# KiCad board pandore.kicad_pcb (continued)
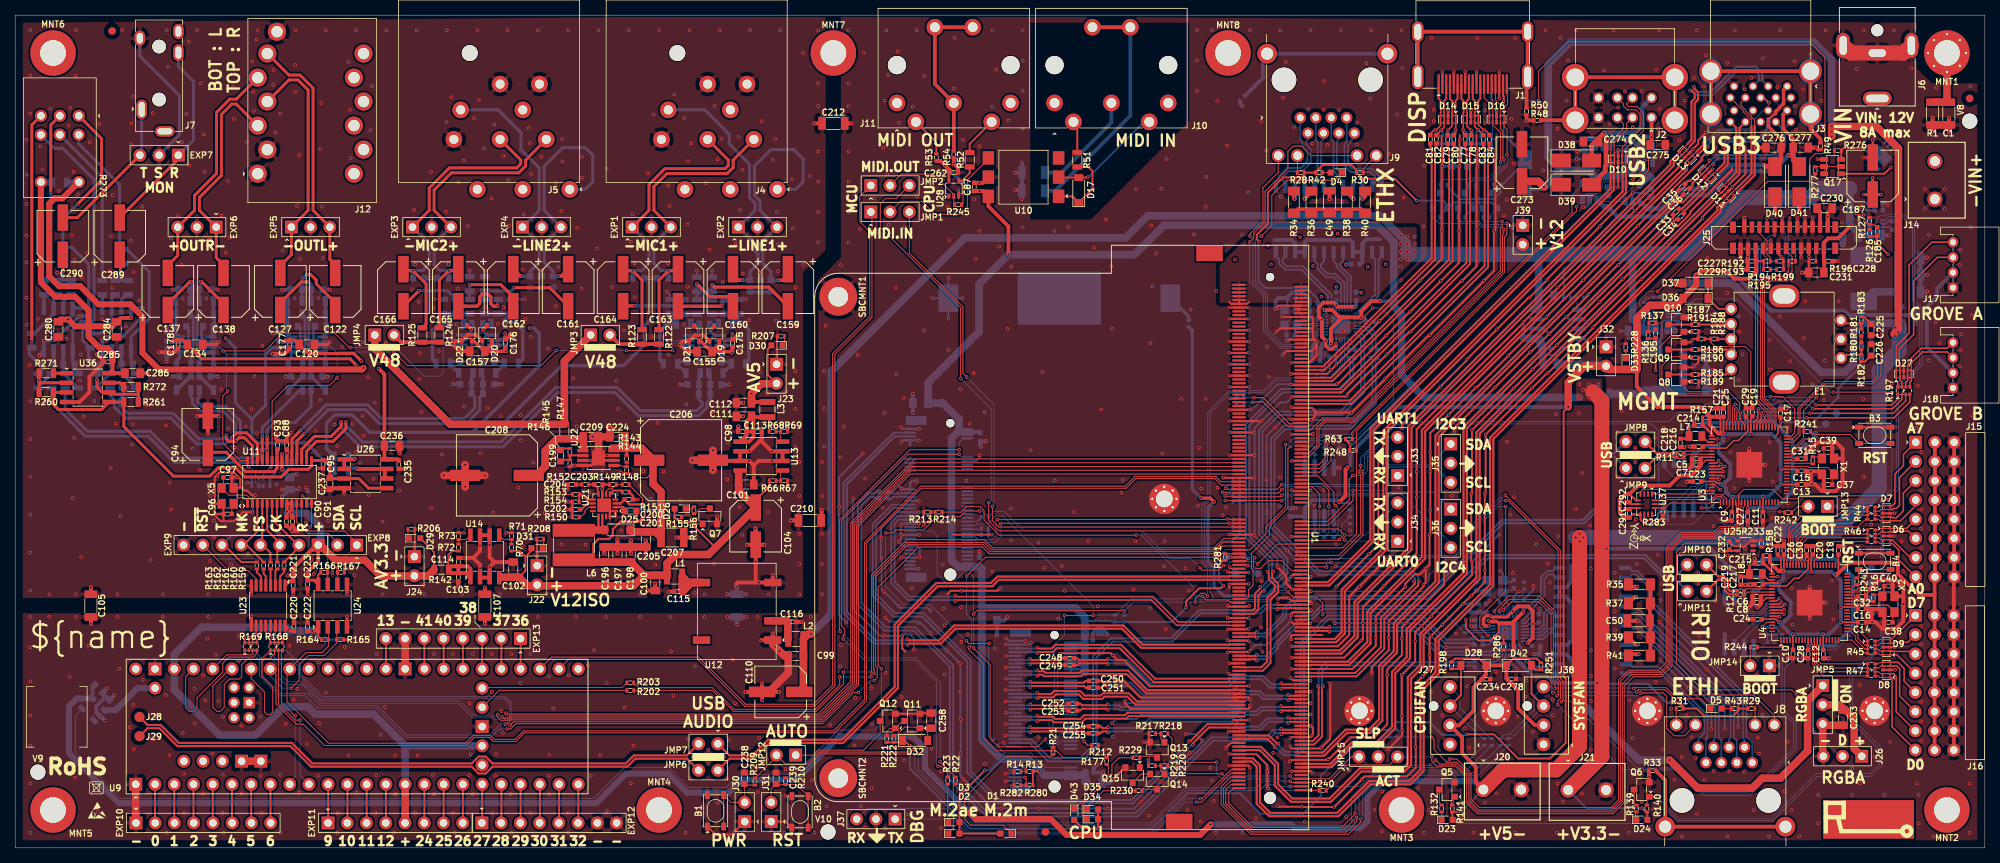
[diagram p0: board, top side]
## Routing (per net, layer and track width the routed paths; a pad name or vN(x,y) marks a point on that pad's centre or on a via; arc(x,y) is an arc through that point) (continued)
V3P3: length 689.7
  Top w0.2: 240.68,38.75 U4.41 240.68,36.55 v1(240.22,36.09) ; C20.2 237.07,38.55 237.07,36.53 v1(237.12,36.47) ; v1(232.8,29.83) 232.42,30.2 U4.76 230.52,30.2 ; U4.68 230.62,33.4 C6.2 ; v1(234.68,28.2) U4.5 C10.2 ; U4.69 231.12,33 230.52,32.4 C8.2 ; 230.72,34.8 230.92,35 U4.64 232.67,35 v1(232.82,35.15) ; C12.2 v1(238.68,28.2) ; C16.2 243.02,31.8 U4.29 v1(241.02,31.8) ; C22.2 233.07,38.35 233.07,36.88 v1(233.42,36.53) 233.47,36.58 U4.59 C26.2 ; v1(241.02,29.8) U4.24 C14.2
  Top w0.25: v1(214.75,5.25) 215.25,4.75 R140.1 215.45,4.7 D24.A ; R31.1 222,18.4 223,17.4 226.75,17.4 227.45,18.1 R43.2 R29.1 ; v1(128.93,41.37) 123.52,41.37 v1(123.5,41.35) ; v1(191.5,30.1) 191.5,29.02 193.14,27.38 194.75,27.38 195.83,28.46 195.83,29.67 ; v1(128,10.25) 124.65,6.9 D3.A 124.65,3.4 D2.A D1.A ; R248.1 176.2,52.55 v1(176.2,53.3) 175.6,53.9 R63.2 ; v1(135.2,10.2) 135.1,10.1 R13.1 R280.1 ; v1(185,85.5) 182.1,88.4 177.85,88.4 R30.1 177.05,89.55 176.4,90.2 172.6,90.2 171.65,89.25 R42.2 R28.1 170.15,88.9 169.82,88.57 167.37,88.57 165.36,86.56 165.36,82.46 163.9,81 163.9,80.4 v1(164.2,80.1) ; v1(154.57,31.73) 154.57,32.57 156.29,34.29 159.16,34.29 v1(159.49,34.62) ; v1(158.89,37.31) 158.89,37.44 159.41,37.96 R281.2 ; 124.65,3.3 124.65,3.3
  Top w0.3: R31.1 220.15,18.7 219.67,19.18 v1(218.61,19.18)
  Top w0.35: U28.5 123.25,89.1 C262.2
  Top w0.4: 195.83,29.67 195.58,29.92 194.58,29.92 v1(194.53,29.97)
  Top w0.5: v1(172.83,71.05) 173.85,71.05 174.81,70.09 175.2,70.09 ; 253.36,33.42 253.36,35.75 J15.23 J15.2 253.36,53.53 ; 253.36,33.42 J16.2 J16.23 ; 253.36,33.42 251.29,33.42 248.51,36.2 248.51,37.25 248.09,37.67 242.06,37.67 240.48,36.09 v1(240.22,36.09) ; 197.57,29.67 195.83,29.67 ; 197.57,29.67 v1(199.05,31.15) ; 197.57,29.67 197.78,29.46 197.78,26.57 197.89,26.47 v1(197.89,25.85) ; v1(180.13,72.22) 180.12,72.23 179.01,72.23 177.68,70.9 v1(177.68,70.06) 177.66,70.09 175.2,70.09 ; R158.2 231.62,37.7 232.79,36.54 233.41,36.54 v1(233.42,36.53) ; R53.2 122.15,90.75 v1(122.7,90.2) 123.35,89.55 C262.2 ; v1(173.68,66.62) 173.68,68.57 175.2,70.09 ; v1(131.11,78.36) 131.11,82.1 128.47,84.75 U10.6 127.78,86.75 v1(127.3,86.75) C87.2 ; C6.2 C8.2 230.3,32.28 230.3,32.05 v1(229.97,31.72)
  Top w2: J21.1 209.45,12.1 209.45,59.05 208.25,60.25
  Bottom w0.127: R59.1 191.35,83.5 Q3.1 ; Q2.1 188.05,83.5 R57.1 ; Q4.1 194.65,83.5 R61.1 ; 234.43,28.2 233.96,27.73 232.69,27.73 R232.2
  Bottom w0.15: R19.2 172.91,63.43 172.91,65.39 C69.2
  Bottom w0.2: C70.2 194.45,30.1 194.57,29.97 ; C71.2 172.83,71.05 v1(172.83,71.05) 173.08,70.8 U7.32 ; U8.11 197.7,26.04 v1(197.89,25.85) ; U7.11 176.9,69.8 177.22,69.8 177.48,70.06 v1(177.68,70.06) ; 194.57,29.97 194.57,29.97 v1(194.53,29.97) ; 194.57,29.97 194.85,29.7 U8.23 ; U7.23 173.98,66.96 173.72,66.71 ; U8.32 v1(199.05,31.15) 199.17,31.27 C72.2 ; C67.2 178.26,69.46
  Bottom w0.25: 192.36,85.24 194.91,85.24 Q4.1 ; 192.36,85.24 192.35,85.23 Q3.1 ; 192.36,85.24 189.79,85.24 Q2.1 ; 173.72,66.71 173.68,66.66 v1(173.68,66.62) ; R172.1 R175.1 R178.1 R179.1 161.65,41.53 160.6,40.48 159.52,40.48 158.23,39.19 158.23,37.97 v1(158.89,37.31) 158.89,37.31 158.89,35.22 v1(159.49,34.62) ; Q2.1 189.05,84.95 188.5,85.5 v1(185,85.5) ; Q2.1 189.05,84.64 ; C71.2 171.95,72.49 170.49,73.95 165.01,73.95 164.1,74.87 164.1,80 v1(164.2,80.1) ; v1(176.2,53.3) 176.6,53.3 184.4,61.1 ; v1(191.5,30.1) 191.5,29.45 R20.2 ; J21.1 207.4,5.25 v1(214.75,5.25) ; 141.18,29.95 144.68,29.95 144.78,29.85 R17.1 R18.1 152.69,29.85 v1(154.57,31.73) ; R216.1 R215.1 128.9,41.35 v1(128.93,41.37) ; v1(128,10.25) 128.02,10.27 128.67,10.27 130.15,11.75
  Bottom w0.3: 141.18,27.1 139.32,27.1 139.32,26.6 141.18,26.6 ; 139.32,23.6 141.18,23.6 ; 139.32,24.1 141.18,24.1 ; 141.18,23.1 139.32,23.1 139.32,24.6 141.18,24.6 ; v1(208.82,21.75) 208.89,21.68 215.51,21.68 218.01,19.18 v1(218.61,19.18)
  Bottom w0.5: v1(229.97,31.72) 229.48,32.22 U6.8 229.48,33.48 230.07,34.07 230.08,34.07 230.38,34.37 230.38,34.38 230.72,34.72 230.72,34.83 ; 126.25,54.95 127.25,54.95 127.25,54.95 C242.2 ; v1(232.82,35.15) 233.03,35.15 233.42,35.55 v1(233.42,36.53) 233.47,36.48 v1(237.12,36.47) 239.81,36.47 241.02,35.26 v1(241.02,31.8) v1(241.02,29.8) 239.43,28.2 v1(238.68,28.2) v1(234.68,28.2) 234.43,28.2 v1(232.8,29.83) 233.45,29.83 234.37,30.75 234.37,32.47 232.82,34.03 v1(232.82,35.15) ; v1(232.82,35.15) 232.5,34.83 230.72,34.83 ; 173.67,66.57 173.49,66.39 C69.2 ; v1(180.13,72.22) 181.97,72.22 182,72.25 ; v1(208.82,21.75) 208.78,21.79 203.13,21.79 202.28,22.64 200.45,22.64 197.67,25.42 C68.2 197.68,25.42 197.89,25.64 v1(197.89,25.85) ; v1(177.68,70.06) 177.95,70.06 178.26,69.75 C67.2 ; v1(122.7,90.2) 126.15,86.75 v1(127.3,86.75) ; 230.72,34.83 230.72,35.12 230.13,35.72 227.61,35.72 223.8,39.53 v1(210.06,39.53)
  Bottom w1: 127.6,31.7 127.6,36.9 C241.2 127.2,37.1 J19.74 124.5,37.1 123.6,38 123.6,54.1 124.45,54.95 ; 127.6,31.7 139.97,31.7 141.18,30.49 141.18,23.1 ; 127.6,31.7 127.6,14.3 130.15,11.75 133.73,11.75 135.88,9.6 140.9,9.6 C246.2 141.25,8.75 C247.2 ; 124.45,54.95 124.62,55.12 124.62,56.59 122.45,58.75 C243.2 120.5,61.44 127.24,68.18 127.24,74.49 v1(131.11,78.36) 147.74,78.36 151.63,82.25 179.75,82.25 182,80 182,71.5 183,70.5 183,62.5 186,59.5 v1(206.5,59.5) ; 124.45,54.95 126.25,54.95
  vias: v1(206.5,61.25) v1(207,60.5) v1(207.75,61.25) v1(207.75,59.5) v1(209,61.25)
V3P3AUD: length 92.3
  Top w0.25: R164.1 40,27.95 U24.1 ; R165.1 v1(43.9,27.5)
  Top w0.4: C220.2 36.32,28.65 U23.16 ; C222.2 39.45,28.65 U24.1
  Top w1: U9.15 51.48,3.32 EXP11.5
  Bottom w0.25: v1(39.2,28.65) 40.35,27.5 v1(43.9,27.5)
  Bottom w1: U9.15 51.48,13.48 ; 51.48,13.48 U9.50 ; 51.48,13.48 47.28,17.68 39.62,17.68 38.65,18.64 35.48,18.64 31.74,14.9 26.98,14.9 21,20.88 U9.46 21,25.55 24.6,29.15 35.82,29.15 v1(36.13,28.83) 36.32,28.65 v1(39.2,28.65)
V5: length 595.5
  Top w0.25: D23.A 189.7,3.75 R141.1 v1(190.5,4.75) ; R198.1 190.06,25.01 193.24,25.01 D28.1 ; R251.1 200.84,25.01 197.76,25.01 D42.1
  Top w0.3: U25.5 226.4,39.25 C232.2 226.05,39.2 v1(225.3,39.2)
  Top w0.5: D28.1 194.15,22.94 193.96,22.75 193.96,22.64 192.5,21.18 192.5,18.1 190.59,16.19 J27.2 191,14.59 191,12.5 192.8,10.7 192.8,8.7 J20.1 ; D28.1 194.25,24.2 ; D28.1 D42.1 196.85,22.34 198.4,20.79 198.4,18.4 200.59,16.21 J38.2
  Top w0.8: v1(126,4.6) 126.8,3.8 136.7,3.8 138.79,1.71 156.41,1.71 v1(157.8,3.1)
  Top w1: v1(218.4,11.6) 222.1,7.9 229.3,7.9 230.6,9.2 233,9.2 236.6,12.8 236.6,19.44 JMP5.1 ; v1(239.77,93.99) 239.8,94.02 v1(239.8,94.6) v1(239.8,95.3) 245.7,95.3 248.59,92.41 248.59,68.49 248,67.9 ; C273.1 201.05,88.05 v1(201.8,87.3) ; D37.2 v1(219.24,74.6)
  Top w2: 206.5,41 206.5,13.4 203.4,10.3 196.4,10.3 J20.1
  Bottom w0.25: J20.1 190.85,4.75 v1(190.5,4.75) ; v1(201.8,87.3) 201.4,86.9 D18.2
  Bottom w0.3: v1(225.3,39.2) 225.3,41.02 225.31,41.03
  Bottom w0.5: C264.2 10.21,21.23 U33.5
  Bottom w0.8: 193.45,7.7 J20.1 192.7,8.8 180.6,8.8 178.5,6.7 178.5,3.55 177.55,2.6 168.9,2.6 168.4,3.1 v1(157.8,3.1) ; U33.5 8.14,19.74 7.1,18.7 7.1,12.5 13.7,5.9 76.7,5.9 80.6,9.8 86.2,9.8 88.7,7.3 94.2,7.3 95.9,9 103.1,9 108.8,14.7 118.5,14.7 120.1,13.1 120.1,10.5 v1(126,4.6)
  Bottom w1: 248.45,69.3 243.87,69.3 242.7,68.13 242.7,64.01 241.51,62.82 238.4,62.82 226.62,74.6 v1(219.24,74.6) ; 207.68,89.49 C265.2 204.09,89.49 ; 207.68,89.49 208.65,88.52 208.65,87.8 ; 207.68,89.49 U29.5 ; 212.55,89.45 211.85,88.75 C271.2 209.4,88.75 208.75,88.1 ; 214.35,90.3 214.35,90.11 214.34,90.11 ; C267.2 213.73,89.49 214.34,90.11 ; 204.09,89.49 202.38,91.2 202.38,103.55 205.25,106.42 237.42,106.42 239.77,104.07 v1(239.77,93.99) ; 204.09,89.49 201.9,87.3 ; 214.34,90.11 C269.2 215.4,88.55 U31.5 ; 199.4,87 D18.2 ; v1(218.4,11.6) 214.3,11.6 v1(206.9,19)
  Bottom w2: 248.7,68.9 248.7,65.7 246.05,63.05 246.05,47.55 240.44,41.94 232.06,41.94 231.16,41.03 225.31,41.03 225.28,41 v1(207,41) v1(206,41)
  vias: v1(206.5,41.5) v1(206.5,40.5) v1(248.1,67.6) v1(248.2,68.7) v1(248.59,68.1)
V12: length 245.6
  Top w0.25: U1.250 U1.252 ; U1.250 160.5,71.88 160.25,72.13 ; U1.250 162.62,71.88 162.87,72.13 ; v1(237.9,91) 237.95,90.95 Q17.4
  Top w0.4: C187.1 v1(246.3,86.3) ; C187.1 v1(244,86.3) ; C187.1 245.4,86.5 ; C187.1 244.7,86.8 ; C187.1 v1(245.2,88.5)
  Top w0.5: v1(242.34,82.24) 240.62,80.52 239.32,80.52 238.75,79.95 J25.23 238.75,77.55 C228.2 238.8,76.05 C231.2
  Top w1: v1(105.05,28.25) 104.7,28.25 L2.1 C99.2 104.05,21.15 C110.1
  Bottom w0.25: R223.1 204.41,76.58 ; 215.29,68.64 C188.2 215,68.35 R133.1 ; 243.45,80.9 C186.2
  Bottom w0.8: C188.2 215.25,68.6 U20.1 ; C186.2 243.5,80.95 U19.1
  Bottom w1: C186.2 243.25,81.3 242.18,82.37 242.18,87.1 ; v1(105.05,28.25) 107.72,30.92 107.72,62.94 125.36,80.58 146.58,80.58 149.5,83.5 180.17,83.5 183.75,79.92 v1(183.75,79.75) ; U27.4 201.1,71.4 C259.2 201.1,78.3 201,78.4 ; C188.2 214.95,68.41 213.5,69.86 213.5,78.43 213.43,78.5
  Bottom w2: 242.18,87.1 238.2,87.1 237,85.9 228.1,85.9 220.7,78.5 208.05,78.5 207.95,78.4 184.1,78.4 v1(183.75,78.75)
  vias: v1(182.83,80.83) v1(182.91,79.79) v1(182.91,78.79) v1(182.91,77.79) v1(182.91,76.79) v1(183.75,80.75) v1(183.75,77.75) v1(184.75,80.75) v1(184.75,79.75) v1(184.75,78.75)
V12ISO: length 94.4
  Top w0.15: 82.82,45.38 82.82,46.18 81.05,47.95 R148.1
  Top w0.25: C104.1 97.75,45.95 99.55,47.75 R66.1 ; R70.1 66.58,39.22 67.35,38.46 ; 66.5,35.75 67.35,36.6 67.35,38.46 ; 67.35,38.46 68.15,39.26 D31.A ; D26.A R155.1 87.05,43.67 87.64,43.07 89.03,43.07 92.4,39.7 92.5,39.7
  Top w0.3: U21.3 79.92,45.5 C200.2 81.1,45.38 82.82,45.38 83.1,45.1 83.1,43.9 82.3,43.1 79.9,43.1 78.9,42.1 78.9,41.3 78.4,40.8 77,40.8 76.3,40.1 76.3,37.7
  Top w1: 83,36 C100.2 85.9,36 L1.2 86.05,37.58 87.22,38.75 91.55,38.75 C104.1 95.5,47.2 C101.2 95.5,49.5 ; 83,36 81.62,34.62 67.63,34.62 66.5,35.75 C102.2 64.25,35.75 ; 83,36 C198.2 C197.2 C196.2 74.05,37.75 L6.1
V50: length 40.4
  Top w0.15: R153.1 72.6,46.7 72.3,47 72.3,48.4 72.8,48.9 83.4,48.9 84.2,49.7 84.2,50.7 C206.1
  Top w0.35: R143.1 80.72,52.83
  Top w1: 80.5,52.8 82.7,52.8 84.05,51.45 84.05,51.25 84,51.2 C206.1 ; 80.5,52.8 78.8,52.8 ; 80.5,52.8 C224.2 ; 84.2,50.7 84.2,48.1 85.25,47.05 C207.2 84.5,41.75 C205.2 81.5,41.75 81.25,42 D25.1
VSS: length 1903.9
  Top w0.15: R286.2 196.46,27.72 v1(196.54,27.8)
  Top w0.2: U3.62 224.63,54 v1(224.65,54.02) ; D27.3 D27.3 v1(249.3,63.97) ; v1(232.63,35.82) 232.6,35.8 U4.62
  Top w0.25: 173.47,11.88 173.22,11.62 U1.17 168.53,11.62 168.33,11.43 v1(168.26,11.43) ; 173.47,11.88 v1(173.3,11.7) ; 173.47,11.88 173.57,11.88 v1(176.15,14.45) 176.3,14.6 v1(179.4,14.6) 181.11,16.31 v1(181.11,22.85) 181.11,23.54 183.05,25.48 v1(183.05,27.68) 183.05,29.19 188.6,34.74 v1(188.6,36.7) ; U1.32 160.21,15.38 v1(160.16,15.33) ; v1(168.38,29.96) 168.71,29.62 U1.89 170.92,29.62 v1(170.97,29.68) ; v1(162.79,62.39) 162.78,62.38 U1.212 160.32,62.38 v1(160.32,62.38) ; D7.3 D7.3 v1(248.05,44.2) ; Q12.2 Q11.2 119.53,17.81 C258.1 ; v1(189.98,54.91) 189.98,55.48 v1(195.3,60.8) v1(200,65.5) 200.08,65.5 v1(202.49,67.91) 204.71,70.13 v1(204.79,70.13) 207.66,73 v1(207.66,73.12) 211.54,77 v1(211.6,77) 216.7,82.1 v1(216.8,82.1) 217.96,83.26 217.96,83.67 219.55,85.26 220.13,85.26 222.18,87.31 222.18,87.77 v1(222.55,88.14) 223.05,88.64 D12.3 D12.3 223.65,89.25 v1(224.05,89.65) ; v1(162.84,60.89) 162.82,60.88 U1.206 160.37,60.88 v1(160.34,60.9) ; v1(186.2,36.9) 185.44,36.14 184.73,36.14 183.5,34.91 v1(183.5,34.5) 179.6,30.6 v1(179.6,27.77) 179.6,26.7 176.53,23.62 U1.65 168.5,23.62 v1(168.49,23.63) ; v1(186.2,36.9) 186.7,37.4 v1(186.7,41.4) 186.8,41.5 v1(186.8,44.6) v1(186.8,49.7) v1(186.8,52.3) 186.8,54.8 v1(189.2,57.2) v1(192.8,60.8) 192.9,60.8 v1(197.1,65) 197.1,65.05 v1(202.16,70.11) 202.16,70.16 v1(207,75) v1(214.2,82.2) 218.65,86.65 218.65,86.89 222.62,90.86 222.62,91.24 222.98,91.6 v1(223.3,91.6) ; v1(186.2,36.9) 186.2,35.07 v1(185.92,34.79) 185.92,34.53 181.32,29.93 v1(181.32,27.76) 181.32,26.11 179.06,23.85 v1(179.06,23.02) ; v1(170.99,47.25) 170.99,47.24 170.88,47.12 U1.151 168.63,47.12 v1(168.51,47.25) ; 171.6,57.42 171.6,57.72 171.19,58.12 U1.195 168.62,58.12 168.51,58.24 v1(168.51,58.25) ; 171.6,57.42 171.6,57.05 v1(171.07,56.52) 171.06,56.52 170.96,56.62 U1.189 168.54,56.62 v1(168.52,56.6) ; 171.6,57.42 171.68,57.5 v1(176.4,57.5) 180.85,61.95 v1(180.85,62) 186.55,67.7 v1(186.7,67.7) v1(193.9,74.9) 195.2,76.2 v1(195.2,81.5) 195.4,81.7 v1(195.4,91.2) 195.5,91.3 v1(195.5,93.6) ; v1(160.28,66.89) 160.29,66.88 U1.230 162.81,66.88 v1(162.82,66.87) ; C225.2 245.8,67.73 v1(245.81,67.72) ; v1(162.99,18.83) 162.99,18.59 162.78,18.38 U1.44 147.21,18.38 146.5,19.08 v1(146.5,19.4) ; v1(167.84,67.01) 167.95,67.12 U1.231 171.5,67.12 v1(171.78,66.84) ; v1(170.99,19.13) 170.99,19.12 U1.47 ; v1(170.98,22.07) 170.93,22.12 U1.59 168.68,22.12 v1(168.4,22.4) ; v1(160.3,68.38) 160.31,68.38 U1.236 162.81,68.38 v1(162.81,68.37) ; J3.7 230.8,99.1 v1(231.5,98.4) ; v1(160.31,69.89) 160.32,69.88 U1.242 162.75,69.88 v1(162.77,69.89) ; U1.167 168.53,51.12 v1(168.52,51.12) ; v1(168.52,54.61) 168.53,54.62 U1.181 171.23,54.62 v1(171.3,54.69) ; v1(179.93,51.59) 179.94,51.58 v1(179.94,45.02) 179.94,40.04 v1(178.7,38.8) v1(174.4,34.5) ; v1(162.83,25.94) 162.76,25.88 U1.74 160.12,25.88 v1(160.08,25.83) ; v1(149,14) 149.05,13.95 Q13.2 149.65,14.1 R217.2 ; v1(160.28,41.39) 160.29,41.38 U1.136 163.46,41.38 v1(163.51,41.32) ; v1(160.29,12.39) 160.31,12.38 U1.20 163.84,12.38 165.29,10.93 v1(165.29,10.09) 165.29,7.99 v1(165.43,7.85) ; v1(168.43,62.59) 168.47,62.62 U1.213 173.19,62.62 v1(173.71,63.14) 174.36,63.79 v1(174.36,63.8) 180.08,69.52 v1(180.08,69.6) 180.1,69.6 v1(185.5,75) 188.3,77.8 v1(188.3,81.5) 188.3,89.96 v1(188.38,90.04) 188.38,92.02 v1(188.3,92.1) 188.3,94.07 ; v1(160.28,65.4) 160.31,65.38 U1.224 162.75,65.38 v1(162.77,65.39) ; v1(211.61,92.21) 211.6,92.2 D10.3 D10.3 v1(211.6,89.86) v1(211.6,87.25) ; J1.8 v1(191.4,102.5) ; v1(163.6,51.87) 163.59,51.88 U1.170 160.35,51.88 v1(160.33,51.9) ; 96.09,3.68 J30.1 v1(94.92,2.09) 94.61,1.78 92.42,1.78 91.38,2.82 ; U1.38 162.78,16.88 v1(162.79,16.89) ; v1(159.8,13.2) 160.47,13.88 U1.26 ; v1(160.34,63.89) 160.35,63.88 U1.218 162.84,63.88 v1(162.84,63.88) ; U37.6 213.35,45.4 C292.1 ; U1.135 168.5,41.12 v1(168.49,41.13) ; v1(195.91,99) 195.9,99.01 J1.17 v1(195.9,102.5) ; C232.1 226.91,39.84 228.03,39.84 v1(228.33,39.54) 228.33,39.83 229.05,40.55 U25.3 230.4,40.55 R233.2 ; B4.1 v1(245.55,38.92) 247.54,38.92 ; v1(168.43,27.54) 168.43,27.93 168.62,28.12 U1.83 172.56,28.12 ; v1(168.54,26.62) 168.54,26.62 U1.77 174.59,26.62 176.1,28.14 176.1,33.2 v1(177.4,34.5) 181.04,38.14 v1(181.1,38.14) ; v1(173.59,21.69) 173.59,14.4 v1(172.4,13.2) 172.32,13.12 U1.23 168.49,13.12 168.34,13.27 v1(168.34,13.42) ; v1(160.07,36.48) 160.17,36.38 U1.116 162.78,36.38 v1(162.79,36.37) ; v1(160.38,59.36) 160.4,59.38 U1.200 ; R195.1 R194.1 233.4,77.8 v1(233.12,78.08) 232.75,78.45 J25.11 ; v1(168.42,61.24) 168.53,61.12 U1.207 174.31,61.12 v1(174.47,61.29) 174.57,61.29 v1(180.92,67.64) 184.08,70.8 v1(184.1,70.8) v1(188.2,74.9) 190.6,77.3 v1(190.6,81.5) 190.6,89.99 v1(190.65,90.04) 190.65,93.55 v1(190.7,93.6) 190.7,94.13 ; v1(168.34,14.52) 168.42,14.52 168.53,14.62 U1.29 170.97,14.62 171.16,14.81 v1(171.16,14.82) 171.29,14.95 171.29,15.83 v1(171,16.12) 171,16.12 U1.35 ; v1(167.22,70.16) 167.25,70.12 U1.243 171.16,70.12 171.31,69.97 171.31,68.62 ; v1(171.2,9.94) 171.18,9.94 171,10.12 U1.11 168.53,10.12 v1(168.53,10.12) ; v1(222.16,60.86) 222.22,60.92 R189.2 ; Q10.2 221.23,70.08 v1(221.25,70.06) ; v1(248,41.2) D6.3 D6.3 ; Q15.2 146.45,10.6 v1(144.9,9.05) ; 160.28,34.3 v1(160.28,34.81) 160.35,34.88 U1.110 162.81,34.88 v1(162.81,34.87) ; D16.3 D16.3 ; Q8.2 221.47,63.47 v1(221.64,63.64) 222.22,64.22 R190.2 ; v1(171.05,32.31) 171.05,32.31 171.05,32.34 171.04,32.34 171.04,32.37 171.04,32.37 171.04,32.4 171.03,32.4 171.03,32.5 170.9,32.62 U1.101 168.48,32.62 v1(168.06,33.05) 166.84,33.05 v1(166.68,32.89) ; v1(163.6,54.9) 163.57,54.88 U1.182 160.4,54.88 v1(160.38,54.89) ; 192.9,94.17 v1(192.9,92.1) 193,92 v1(193,90) 192.9,89.9 v1(192.9,81.7) 192.9,76.8 v1(191,74.9) 190.9,74.9 v1(184.2,68.2) 184.06,68.2 v1(181.05,65.19) 175.8,59.94 v1(175.8,59.7) 175.72,59.62 U1.201 168.62,59.62 v1(168.51,59.52) ; v1(242.6,55.55) 242.62,55.58 B3.1 B3.2 ; v1(244,91.2) C187.2 v1(245.2,93.5) ; v1(163.01,19.55) 163.01,19.66 162.79,19.88 U1.50 148.5,19.88 146.34,22.03 145.3,22.03 v1(144.91,22.42) ; v1(162.82,27.31) 162.75,27.38 U1.80 160.12,27.38 v1(160.08,27.42) ; R219.2 v1(149.6,11.6) ; J25.17 v1(235.75,78) ; 171.31,68.62 U1.237 166.94,68.62 v1(166.4,68.09) ; 171.31,68.62 171.31,67.31 v1(171.78,66.84) ; U1.68 160.31,24.38 v1(160.3,24.39) ; v1(171.01,35.79) 170.85,35.62 U1.113 ; v1(213.5,86.5) 209.2,82.2 v1(209.2,82.1) 202.2,75.1 v1(202.2,75) v1(199.9,72.7) 199.8,72.7 v1(195.6,68.5) v1(191.6,64.5) 191.6,64.4 v1(188.1,60.9) v1(184.4,57.2) 183.1,55.9 v1(183.1,55.45) ; v1(159.5,48.88) 160.3,48.88 160.31,48.88 U1.158 163.57,48.88 v1(163.6,48.9) ; v1(162.89,31.99) 162.78,31.88 U1.98 160.22,31.88 v1(160.08,32.01) ; v1(164.5,56.36) 164.49,56.38 U1.188 160.37,56.38 v1(160.35,56.39) ; C291.1 213.26,44.9 U37.7 ; R191.2 222.22,67.33 R184.2 221.51,67.22 v1(221.37,67.08) 221.06,66.78 Q9.2 ; v1(137.92,25.65) 138,25.73 144.58,25.73 v1(144.89,25.42) 145.51,24.8 146.4,24.8 149.82,21.38 U1.56 162.81,21.38 v1(162.82,21.38) ; v1(160.2,23) 160.32,22.88 U1.62 ; v1(166.37,71.23) 166.76,71.62 U1.249 ; v1(130,34.3) 129.66,33.96 v1(124.92,33.96) 123.49,33.96 123.02,33.49 ; v1(162.79,71.35) 162.77,71.38 U1.248 160.27,71.38 v1(160.27,71.37) ; D14.3 D14.3 ; v1(228.4,92.4) 228.4,89.02 v1(226.68,87.29) 226.68,87.28 D11.3 D11.3 225.56,86.2 v1(225.15,85.79) 222.73,83.37 v1(222.73,83.2) 222.73,83.16 v1(221.17,81.6) 214.7,75.13 v1(214.68,75.13) 214.63,75.13 v1(208.3,68.8) 208.3,68.7 v1(202.3,62.7) 202.2,62.7 v1(200.2,60.7) v1(194.1,54.6) 194.1,46.9 v1(194,46.8) v1(194,36.7) 194,35.1 v1(192.2,33.3) 192.17,33.3 v1(191.08,32.21) 188.4,29.53 v1(188.4,29.5) 186.71,27.81 v1(186.71,25.42) 186.73,25.4 186.73,23.57 v1(185.78,22.62) 184.86,21.7 v1(184.86,17.45) 184.86,13.38 v1(184.88,13.36) 184.88,10.6 183.72,9.44 178.12,9.44 v1(177.72,9.03) 177.72,9.02 v1(174.1,5.4) 169.86,5.4 v1(169.83,5.43) 166.77,5.43 v1(166.7,5.5) ; J1.11 v1(192.9,102.5) ; v1(160.3,10.87) 160.31,10.88 U1.14 162.79,10.88 162.97,10.7 v1(162.97,10.6) ; v1(160.08,28.86) 160.36,28.86 160.38,28.88 U1.86 162.75,28.88 v1(162.82,28.94) ; J25.20 v1(237.25,83.2) ; D8.3 D8.3 v1(248.17,23.51) ; J25.19 236.8,79.15 R196.1 236.8,76.05 C231.1 ; v1(117.1,28) 117.1,26.34 117.53,25.91 ; v1(160.28,57.87) 160.28,57.88 U1.194 162.81,57.88 v1(162.81,57.88) ; v1(171.78,66.84) 171.78,66.26 171.15,65.62 U1.225 167.8,65.62 v1(167.3,65.13) ; v1(171.78,66.84) 171.78,65.03 170.88,64.12 U1.219 168.56,64.12 v1(168.52,64.09) ; J1.2 v1(188.4,102.5) ; U1.53 170.94,20.62 v1(170.95,20.63) ; R277.2 v1(237.6,88.4) ; C226.2 245.8,66.53 v1(245.81,66.52) ; D9.3 D9.3 248.07,26.51 v1(248.09,26.53) ; J31.1 101.73,3.47 B2.1 ; 226.61,89.86 226.61,89.53 221.12,84.04 221.12,83.78 219.52,82.18 219.28,82.18 v1(218.3,81.2) 212.25,75.15 v1(212.22,75.15) v1(209.16,72.09) 209.16,72.08 v1(205.09,68.01) 203.5,66.42 v1(203.5,66.4) v1(200.3,63.2) v1(197.8,60.7) v1(192.3,55.2) 192.3,46.9 v1(192.2,46.8) 192.2,37.9 v1(192.3,37.8) 192.3,36.06 186.93,30.69 v1(186.93,30.61) 184.8,28.48 v1(184.8,27.31) 184.8,24.63 v1(183.04,22.87) 183.04,17.43 v1(183.06,17.41) 183.06,15.6 v1(183.11,15.55) 183.11,14.92 v1(181.2,13.01) ; U1.107 168.59,34.12 v1(168.54,34.18) 167.78,34.94 167.78,35.92 v1(166.6,37.1) ; v1(171.05,31.41) 171.05,31.3 170.88,31.12 U1.95 168.62,31.12 168.45,30.95 168.45,30.8 168.45,30.8 v1(168.45,30.74) ; U1.41 171,17.62 v1(171.01,17.62) ; J25.16 v1(235.25,83.2) ; J25.12 v1(233.25,83.2) ; v1(223.2,94.5) 222.17,93.47 222.17,93.01 v1(221.47,92.31) 221.47,92.27 D13.3 D13.3 219.91,90.71 v1(219.91,90.7) 219.56,90.35 219.56,89.9 v1(213.83,84.17) 213.81,84.17 v1(203.65,74.01) 199.1,69.46 v1(199.1,69.43) 199.1,69.4 185,55.3 v1(185,51.2) v1(185,49.7) v1(185,46.3) v1(185,43.6) 185,38.9 v1(183.7,37.6) 183.65,37.6 180.7,34.65 v1(180.7,34.6) 177.9,31.8 177.9,27.6 v1(177.7,27.4) 175.43,25.12 U1.71 168.51,25.12 v1(168.51,25.13) ; v1(160.07,30.38) 160.32,30.38 160.32,30.38 U1.92 162.79,30.38 v1(162.82,30.35) ; J25.18 v1(236.25,83.2) ; D15.3 D15.3 ; J1.5 v1(189.9,102.5)
  Top w0.35: D14.3 v1(189.15,97.46) ; D16.3 v1(195.55,97.44) ; U28.3 124.55,86.75 v1(124.5,86.8) ; D15.3 v1(192.15,97.43)
  Top w0.4: C222.1 v1(38.6,30.6) ; v1(43.8,30.5) 43.8,30.5 U24.4 ; v1(31.2,30.6) 31.18,30.58 U23.9 ; C220.1 v1(36.8,30.6)
  Top w0.5: C5.1 C7.1 221.35,50.44 v1(220.83,49.92) ; 249.24,33.22 249.24,29.94 248.25,28.95 246.75,28.95 ; 249.24,33.22 249.22,33.24 X2.4 247.82,33.49 C40.1 247.82,35.32 247.8,35.34 ; 249.24,33.22 249.24,34.46 248.36,35.34 247.8,35.34 ; v1(231.97,39.83) 232,39.85 C22.1 C26.1 233.47,39.86 v1(233.47,40.49) ; v1(253.11,94.57) 253.1,94.58 R1.2 253.1,96.45 v1(253.11,96.46) ; v1(235.96,25.05) 235.96,25.05 C28.1 ; 246.75,28.95 246.45,28.95 245.57,29.83 v1(245.12,29.83) ; 246.75,28.95 246.73,28.97 C38.1 246.73,30.89 246.07,31.54 245,31.54 ; J25.24 v1(239.25,83.4) 239.25,83.9 C230.1 ; 245,31.54 244.38,31.54 C16.1 ; 245,31.54 245,29.95 v1(245.12,29.83) ; C23.1 220.75,48.4 v1(220.7,48.35) ; C276.1 v1(230.23,92.5) ; R54.1 v1(123.9,90.4) 124.45,89.85 C262.1 ; J25.3 v1(228.75,78.1) 228.7,78.05 C227.1 C229.1 v1(228.05,76.4) ; 247.8,35.34 245.9,35.34 244.37,33.81 244.34,33.81 v1(244.3,33.77) 244.32,33.75 C32.1 ; v1(245.12,29.83) 245.1,29.8 C14.1 ; 241.23,51.42 241.23,52.7 240.38,53.54 239.82,53.54 ; 241.23,51.42 241.21,51.44 X1.4 239.85,51.69 C39.1 239.85,53.52 239.82,53.54 ; 241.23,51.42 241.23,48.1 240.27,47.15 238.77,47.15 ; v1(237.89,39.85) 237.86,39.88 237.31,39.88 C20.1 C30.1 236.51,39.88 ; C214.1 221.65,56.38 v1(221.62,56.4) ; D40.1 232.3,83.97 v1(232.28,83.95) ; v1(173.49,85.7) 173.5,85.71 C49.1 ; 239.82,53.54 237.87,53.54 v1(236.38,52.05) 236.35,52.03 C31.1 ; C110.2 v1(98.6,19.5) ; C110.2 v1(96.4,20.6) ; C110.2 v1(100.8,20.6) ; C110.2 v1(98.6,21.7) ; v1(103.8,29.9) 103.75,29.85 C116.1 ; v1(237.15,48.03) 237.6,48.03 238.48,47.15 238.77,47.15 ; v1(237.15,48.03) 237.12,48 C13.1 ; v1(237.15,48.03) 237.02,48.15 v1(237.02,49.74) ; C231.1 v1(235.85,76) ; C277.1 v1(237.7,92.5) 237.95,92.25 R49.1 ; v1(228.81,31.72) 229.32,32.24 C8.1 C6.1 ; v1(98.5,27.4) 98.55,27.45 U12.1 v1(100,28.3) ; C107.2 v1(62,29.6) ; v1(241.37,39.83) 241.35,39.85 C18.1 ; U3.81 v1(228.9,52.7) ; U3.81 v1(231.03,50.6) ; U3.81 v1(228.9,48.47) ; R48.1 v1(199.5,96.1) R50.1 ; J25.1 v1(227.75,78) ; D41.1 v1(235.5,83.96) ; v1(239.41,25.03) 239.4,25.02 238.7,25.02 C12.1 ; v1(229.23,58.78) 229.3,58.71 C19.1 229.24,58.05 228.5,58.05 C29.1 228.47,58.77 v1(228.5,58.8) ; v1(228.72,42.67) 228.7,42.7 C27.1 ; v1(237.02,49.74) 236.4,49.74 C15.1 ; v1(237.02,49.74) 238.1,49.74 X1.2 238.75,49.09 C37.1 238.75,47.17 238.77,47.15 ; C10.1 234.67,25.05 233.98,25.05 v1(233.96,25.03) ; v1(229.6,38.2) 229.62,38.17 C215.1 ; C228.1 v1(240.55,77.5) ; C11.1 230.7,42.67 v1(230.72,42.65) ; v1(106.45,44.65) 106.45,43.3 C210.2 ; v1(224,58.03) 224.03,58.05 C21.1 C25.1 225.5,58.67 v1(225.47,58.7) ; U4.81 v1(236.87,30.28) ; U4.81 v1(239,32.4) ; U4.81 v1(236.87,34.5) ; R33.1 215.65,9.45 v1(215.7,9.4) Q6.2 ; v1(212.5,45.7) 212.55,45.65 C292.1 ; C87.1 v1(127.3,87.85) 127.72,87.85 U10.5 ; C212.2 v1(110.4,95.7) ; v1(221.05,53) C216.1 ; v1(228.68,30.15) 228.72,30.2 229.42,30.2 ; v1(255.26,94.56) 255.25,94.57 C1.1 255.25,96.41 v1(255.27,96.43) ; J25.2 v1(228.25,83.2) ; C50.1 v1(214.2,30) ; C218.1 v1(220.4,52.95) ; C291.1 212.54,44.74 v1(212.5,44.7) ; 255.9,53.53 J15.3 J15.24 255.9,35.75 J16.3 J16.24 ; C217.1 v1(229.02,34.8) 228.97,34.75 v1(228.37,34.75) 227.77,34.75 ; C17.1 v1(233.75,57.99) ; v1(10,29.6) C105.2 ; v1(225.9,43.2) 225.95,43.25 C9.1
  Top w1: C110.2 99.5,20.6 102.05,23.15 C99.1 101.55,25.35 100,26.9 U12.1 ; J26.3 238.6,12.17 JMP5.3 238.76,16.2 C233.1 ; C1.1 R1.2 ; EXP13.7 51.48,27.63 U9.34 ; U9.58 U9.57 ; EXP10.1 15.92,3.33 U9.1
  Top w2: J6.S 249.3,105 J6.2 242.3,105 J6.S
  Bottom w0.15: v1(215.41,72.57) 214.99,72.15 R134.2
  Bottom w0.25: v1(174.3,37.15) 181.88,37.15 182.33,37.6 v1(183.7,37.6) ; v1(241.15,82.6) 241.1,82.6 241.05,82.55 ; 215.35,86.5 C270.1 ; 215.35,86.5 v1(213.5,86.5) U31.2 213.5,84.5 v1(213.83,84.17) ; 215.35,86.5 C269.1 ; v1(217.07,29.84) 217.07,29.81 v1(223.31,23.57) 227.44,19.44 v1(227.44,15.96) ; v1(200.42,34.61) 200.42,34.09 C72.1 ; v1(130.44,13.87) 130.96,13.35 J13.57 ; v1(116.65,40.44) 116.95,40.74 v1(116.95,41.35) 116.95,42.6 v1(116.91,42.64) ; v1(203.65,74.01) 203.1,73.46 C259.1 ; BAT1.2 123.19,75.26 v1(123.23,75.3) ; BAT1.2 123.19,69.93 v1(123.2,69.92) ; BAT1.2 v1(121.03,72.61) ; BAT1.2 125.02,72.61 v1(125.03,72.6) ; U27.7 205.68,68.56 205.12,68.01 v1(205.09,68.01) ; v1(111.9,52.1) 108.76,48.96 v1(108.76,45.07) 108.76,30.74 v1(109.7,29.8) ; v1(144.91,22.42) 145.3,22.81 147.2,22.81 149.27,20.74 160.71,20.74 161.35,21.38 v1(162.82,21.38) ; v1(130.79,27.69) 131.13,27.35 J13.1 133.28,27.35 v1(133.31,27.32) ; v1(202.16,70.11) 201.88,69.83 U27.3 ; C53.1 174.35,63.81 v1(174.36,63.8) ; v1(173.71,63.14) 173.49,63.36 C69.1 ; v1(130.75,17.86) 130.76,17.85 J13.39 ; C55.1 v1(174.38,74.13) ; v1(196.01,36.61) 196.4,36.22 X4.4 196.65,35.08 197.49,35.08 C75.1 ; U29.2 209.58,92.11 210.19,91.5 210.9,91.5 v1(211.61,92.21) 211.73,92.09 C268.1 C267.1 ; v1(181.33,29.65) 185.3,29.65 v1(185.64,29.31) 185.64,29.27 v1(186.89,28.02) 188.43,26.48 v1(188.89,26.48) v1(191.72,26.48) ; v1(181.33,29.65) 183.5,29.65 v1(183.51,29.66) ; v1(181.33,29.65) 181.31,29.67 v1(179.6,29.67) v1(177.88,29.67) 177.87,29.68 v1(176.1,29.68) v1(174.15,29.68) ; C66.1 191.09,32.22 v1(191.08,32.21) ; v1(118.63,26.24) 118.63,27.7 118.15,28.18 117.28,28.18 v1(117.1,28) 114.62,28 v1(114.59,28.03) 114.15,28.03 110.57,31.61 110.57,46.09 v1(110.66,46.18) ; v1(214.2,30) 214.4,30 225.66,18.74 v1(225.66,15.71) ; v1(211.6,87.25) C271.1 210.25,87.05 ; C68.1 197.61,24.32 v1(198.25,23.68) ; v1(180.08,69.6) 179.94,69.45 C67.1 ; v1(130.73,23.86) 130.74,23.85 J13.15 ; C70.1 192.72,30.07 192.24,30.07 v1(192.23,30.06) ; v1(192.2,29.29) 192.22,29.27 C54.1 ; J13.75 130.75,8.85 v1(130.7,8.8) ; v1(130.71,19.34) 130.72,19.35 J13.33 ; v1(202.49,67.91) 201.84,68.56 U27.2 ; C184.1 C183.1 246.87,85.2 v1(247.2,84.87) ; v1(146.5,19.4) 146.76,19.14 162.06,19.14 162.47,19.55 v1(163.01,19.55) ; U32.2 207.85,85.07 207.38,84.6 v1(207,84.6) ; v1(177.71,73.34) 177.65,73.4 C57.1 ; C73.1 167.92,71.49 X3.4 166.47,71.13 v1(166.37,71.23) ; 139.32,19.6 138.05,19.6 v1(137.86,19.41) ; v1(195.9,41.4) v1(192.3,37.8) ; v1(174.47,61.29) 168.47,61.29 v1(168.42,61.24) 166.63,61.24 163.27,57.88 v1(162.81,57.88) ; 139.32,18.1 138.11,18.1 v1(137.86,17.85) ; 212.75,68.5 C188.1 212.91,68.26 v1(211.88,68.26) ; v1(162.83,25.94) 163.7,26.81 165.23,26.81 v1(168.38,29.96) 168.38,30.67 v1(168.45,30.74) ; v1(166.6,37.1) 166.6,38.23 v1(163.51,41.32) 163.6,41.4 v1(163.6,48.9) v1(163.6,51.87) v1(163.6,54.9) 163.6,55.46 v1(164.5,56.36) 166.99,58.85 167.84,58.85 v1(168.51,59.52) ; v1(130.75,26.85) J13.3 133.82,26.85 v1(134.08,27.11) ; C60.1 197.85,33.25 198.44,33.84 v1(198.5,33.84) ; v1(162.79,16.89) 162.02,16.89 161.29,17.62 148.61,17.62 148.03,17.04 145.36,17.04 v1(144.79,16.47) ; J13.21 v1(130.73,22.35) ; v1(192.2,33.3) 192.85,33.95 C76.1 194.05,33.98 X4.2 ; C56.1 201.3,31.09 v1(201.3,31.6) ; v1(114.86,30.43) 115.4,29.89 119.13,29.89 v1(119.27,29.75) 119.46,29.75 v1(120.83,28.38) 120.83,28.23 v1(122.96,26.1) 122.99,26.1 v1(124.72,24.37) 124.77,24.32 v1(124.77,20.67) 124.77,17.05 v1(124.83,16.99) 124.83,12.59 v1(124.77,12.53) 124.77,9.49 v1(125.21,9.05) 125.26,9.05 v1(127.52,6.79) 129.08,5.23 v1(130.18,5.23) 135.2,5.23 v1(135.23,5.2) 144.23,5.2 v1(144.24,5.19) 147.7,5.19 155.04,12.53 v1(155.06,12.53) 155.18,12.53 156.68,14.03 v1(156.68,14.2) 155.85,15.03 v1(154.52,15.03) ; v1(194.66,32.62) 194.26,32.22 C62.1 ; U30.2 v1(215.18,91.78) ; v1(204.79,70.13) 205.09,69.83 U27.6 ; C260.1 v1(199.1,69.43) ; v1(223.9,15.7) 223.9,18.07 v1(220.87,21.1) 217.16,24.81 v1(217.14,24.81) ; J19.69 119.35,38.35 v1(119.4,38.4) 119.4,39.6 119.15,39.85 J19.63 ; J19.45 116.24,44.35 114.31,42.42 v1(114.31,41) 114.31,38.27 v1(114.37,38.21) 114.37,34.14 v1(114.65,33.86) 114.69,33.86 v1(116.62,31.93) 116.84,31.71 120.43,31.71 v1(120.82,31.32) ; C191.1 C190.1 v1(218.95,72.8) ; C266.1 206.29,92.09 v1(206.2,92) ; v1(206.1,91) 206.11,90.99 C265.1 ; v1(130.74,25.34) 130.75,25.35 J13.9 ; R224.2 207.24,72.7 v1(207.66,73.12) ; v1(167.84,67.01) 168.18,67.01 C74.1 168.92,68.79 X3.2 ; 241.05,80.9 C186.1 ; v1(130.7,9.8) 130.75,9.85 J13.71 ; v1(130.7,14.85) J13.51 ; v1(130.7,16.35) J13.45 ; C261.1 203.05,65.95 v1(203.5,66.4) ; 168.78,37.82 168.78,38.41 v1(167.93,39.26) 167.92,39.26 v1(166.3,40.88) 165.21,41.97 v1(165.21,44.32) 165.21,48.64 v1(165.2,48.65) v1(165.2,52.84) 165.2,54.43 v1(166.31,55.54) 167.37,56.6 v1(168.52,56.6) 170.99,56.6 v1(171.07,56.52) 175.42,56.52 v1(176.4,57.5) ; J13.27 v1(130.73,20.85)